# KiCad board Auckland-LED-Train-Map.kicad_pcb (continued)
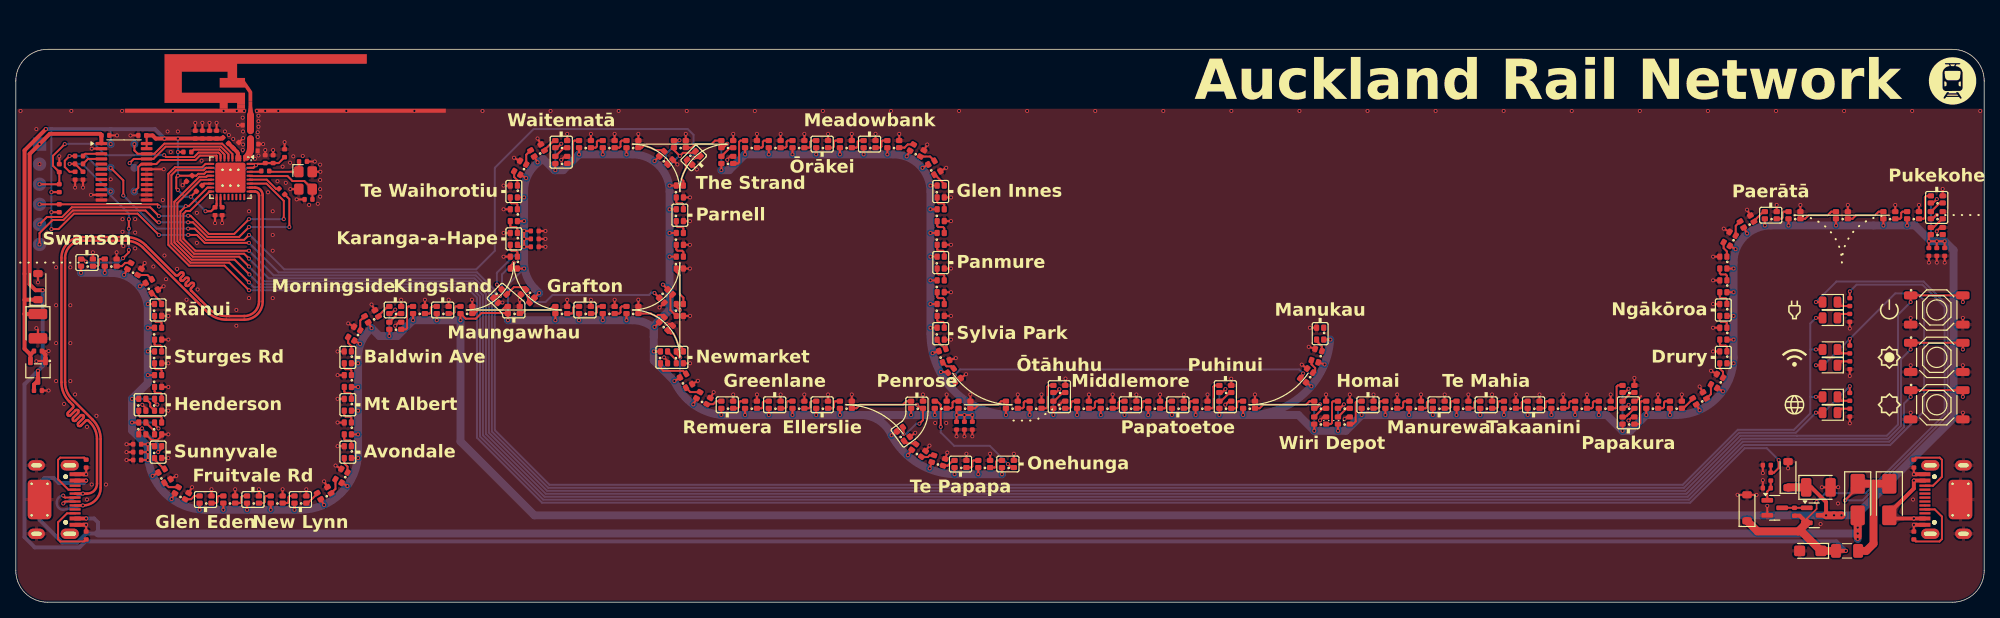
[diagram p0: board, top side]
## Routing (per net, layer and track width the routed paths; a pad name or vN(x,y) marks a point on that pad's centre or on a via; arc(x,y) is an arc through that point) (continued)
  Bottom w0.313: v1(6,12.5) v1(8.48,13.75)
/LED_+5V_EN_Active_High: length 249.2
  Top w0.25: U2.9 24,55.5 23.58,55.08 20.14,55.08 19.3,54.23 19.3,45.24 21.92,42.61 26.38,42.61 v1(29.5,39.5) ; v1(223,18) 223,17 222.4,16.4 R18.1 R17.1
  Bottom w0.25: v1(223,18) 221.5,19.5 218.71,19.5 211.81,12.6 66.56,12.6 58.33,20.83 58.33,38.57 57.4,39.5 v1(29.5,39.5)
/LVL_Shifter_EN_Active_Low: length 15
  Top w0.25: U2.4 27.4,56.75 26.09,58.06 18.8,58.06 17.52,56.78 U3.22 15.42,56.78 15,57.2 v1(15,58)
/MCU_RX: length 41.5
  Top w0.25: v1(29.5,48.5) 27.63,46.63 24.4,46.63 22.11,48.93 v1(21.8,48.93) ; v1(33.9,48.5) 33.9,50.82 31.72,53 U2.27 ; v1(3,47.84) 3.93,48.77 5.87,48.77 7.09,50 17,50 v1(18.1,48.9)
  Bottom w0.25: v1(21.8,48.93) 21.77,48.9 v1(18.1,48.9) ; v1(29.5,48.5) v1(33.9,48.5)
/MCU_TX: length 40.5
  Top w0.25: R7.1 34.6,51.05 v1(34.6,47.5) ; v1(18.1,48.1) 17.9,48.1 16.4,49.6 7.23,49.6 6.02,48.4 4.66,48.4 3,46.74 v1(3,45.3) ; v1(21.8,48.1) 22.4,48.1 24.25,46.25 28.25,46.25 v1(29.5,47.5)
  Bottom w0.25: v1(34.6,47.5) v1(29.5,47.5) ; v1(18.1,48.1) v1(21.8,48.1)
/NAL-NIMT_MCU: length 14.3
  Top w0.25: v1(15,52) 15.49,52.49 15.49,55.1 15.73,55.35 15.74,55.35 15.87,55.47 U3.20 ; U2.8 25.4,56.55 23.28,56.55 22.72,55.99 18.29,55.99 17.77,55.47 16.38,55.47
/Reset: length 29.7
  Top w0.25: v1(18.77,56.6) 19.01,56.36 22.56,56.36 23.13,56.93 25.63,56.93 25.9,56.65 U2.7 ; v1(3,52.92) R4.2 C14.1 4.7,55.26 4.7,56.52 6.18,58 v1(6.19,58)
  Bottom w0.25: v1(6.19,58) 6.22,58.03 9.92,58.03 11.35,56.6 v1(18.77,56.6)
/STRAND-MNK_MCU: length 15.1
  Top w0.25: U2.5 26.9,56.72 25.94,57.68 18.96,57.68 17.41,56.12 U3.21 14.92,56.12 v1(14.4,55.6)
  Bottom w0.25: TP8.1 v1(14.4,55.6)
/WIFI_LED: length 249.1
  Top w0.25: D9.2 v1(227.71,24) ; U2.16 24.5,52 22.03,49.53 21.55,49.53 21.19,49.18 21.19,46.01 22.7,44.5 v1(29.5,44.5) ; R8.1 v1(232,27.35)
  Bottom w0.25: v1(29.5,44.5) 32.61,41.39 58.18,41.39 60.22,39.35 60.22,21.62 67.35,14.48 211.02,14.48 217.99,21.45 225.16,21.45 227.7,23.99 227.7,24.01 v1(227.71,24) 228.65,24 v1(232,27.35)
NAL-NIMT-1: length 24.2
  Top w0.25: v1(8.9,43.1) 8.55,43.45 D100.4 ; v1(14.29,44.6) 14.29,44.29 v1(13.55,43.55) ; v1(6.8,55.5) R10.1 R24.1 ; v1(14.3,47.3) v1(14.3,48.5)
  Bottom w0.25: v1(13.55,43.55) 13,43 9,43 v1(8.9,43.1) ; v1(14.3,47.3) 14.29,47.29 v1(14.29,44.6) ; v1(6.8,55.5) 8.4,55.5 11.9,52 v1(12,52) 12,51.5 14.3,49.2 v1(14.3,48.5)
NAL-NIMT-2: length 2.2
  Top w0.25: D135.1 70.35,36.55 70.5,36.7 70.5,37.3 70.65,37.45 D136.4
NAL-NIMT-3: length 2.2
  Top w0.25: D166.4 142.65,25.45 142.5,25.3 142.5,24.7 142.35,24.55 D165.1
NAL-NIMT-4: length 2
  Top w0.25: D192.1 214.43,26.35 D193.4
Onehunga Branch End: length 15.5
  Top w0.25: v1(125.5,17.5) 125.95,17.05 D156.1 ; D157.4 116.55,25.45 117,25 v1(117,22.2)
  Bottom w0.25: v1(125.5,17.5) 123.2,19.8 118.7,19.8 117,21.5 v1(117,22.2)
Onehunga Branch Start: length 1.7
  Top w0.25: D151.1 112.64,20.13 113.76,20.13 D152.4
STRAND-MNK-1: length 108.1
  Top w0.25: v1(21.8,47.3) 22.63,47.3 24.06,45.88 28.88,45.88 v1(29.5,46.5) ; R15.1 v1(6.8,56.5) 6.19,55.89 6.19,55.11 6.8,54.5 R25.1 ; v1(13.6,51.5) 13.6,53.4 v1(12,55) ; D300.4 86.39,56.24 v1(85.73,56.24)
  Bottom w0.25: v1(13.6,51.5) 17.8,47.3 v1(21.8,47.3) ; v1(6.8,56.5) 8.9,56.5 10.4,55 v1(12,55) ; v1(85.73,56.24) 85.73,59.17 85,59.91 65.5,59.91 60.6,55.01 60.6,44.5 58.24,42.14 33.96,42.14 29.6,46.5 v1(29.5,46.5)
STRAND-MNK-2: length 1.7
  Top w0.25: D340.1 117.74,29.87 118.36,29.87 D341.4
Net-(AE1-A): length 3.9
  Top w0.2: 29.61,62.9 29.46,61.97 ; 29.76,62.91 29.91,61.98
  Top w0.889: L1.2 29.69,61.69
Net-(C7-Pad1): length 3.2
  Top w0.25: U2.2 28.25,56.05 28.05,56.05 U2.3
  Top w0.5: 28.15,56.05 28.15,56.15 28.1,56.2 28.1,56.77 arc(28.08,56.89) 28.01,56.99 L3.2
Net-(C20-Pad1): length 5.1
  Top w0.25: 35.83,54.5 C20.1 ; X1.1 32.29,54.5 arc(32.16,54.53) L5.1
Net-(D2-Pad1): length 1.8
  Top w0.25: R12.1 230.94,37.5 D2.1
Net-(D2-Pad2): length 67.9
  Top w0.25: v1(231.4,12.9) 233,14.5 D6.1 ; D2.2 v1(227.71,38)
  Top w1: D7.1 235,15 ; 235,15 D6.1 ; 235,15 235,7.4 234.1,6.5 F1.1
  Bottom w0.25: v1(231.4,12.9) 233.63,12.9 244.38,23.64 244.38,37.56 241.33,40.6 230.31,40.6 v1(227.71,38)
Net-(D6-Pad2): length 252.8
  Top w0.5: v1(8.9,10.6) U4.A9B4 ; v1(8.9,15.4) U4.B9A4
  Top w1: D6.2 233,8.3
  Bottom w0.5: v1(8.9,15.4) 8.59,15.08 5.45,15.08 4.8,15.73 3.63,15.73 3,15.1 3,10.43 5.86,7.57 7.78,7.57 8.91,8.7 10.4,8.7 10.4,10.1 9.9,10.6 v1(8.9,10.6) ; 11.8,8.7 12,8.7
  Bottom w1: v1(233,8.7) 10.4,8.7 ; v1(233,8.7) 233,9.1 ; v1(233,8.7) v1(233,8)
  vias: v1(233,9.45)
Net-(D7-Pad2): length 11.7
  Top w0.5: U5.A9B4 v1(240.1,15.4) 240.1,14.4 237,11.3 D7.2 237.4,10.6 v1(240.1,10.6) U5.B9A4
Net-(D8-Pad1): length 1.1
  Top w0.25: R9.1 230.94,36.5
Net-(D9-Pad1): length 1.8
  Top w0.25: R22.1 230.94,24.5 D9.1
Net-(D10-Pad1): length 1.8
  Top w0.25: R8.2 230.94,25.5 D10.1
Net-(D11-Pad1): length 1.8
  Top w0.25: R21.2 230.94,31.5 D11.1
Net-(D12-Pad1): length 1.8
  Top w0.25: R23.1 230.94,30.5 D12.1
Net-(D100-DOUT): length 2.2
  Top w0.25: D101.4 10.65,43.45 10.5,43.3 10.5,42.7 10.35,42.55 D100.1
Net-(D101-DOUT): length 2
  Top w0.25: D102.4 13.83,42.96 13.42,42.55 D101.1
Net-(D102-DOUT): length 2
  Top w0.25: D103.4 16.65,41.43 D102.1
Net-(D103-DOUT): length 2
  Top w0.25: D104.4 18.45,37.95 17.27,39.13 D103.1
Net-(D104-DOUT): length 2.2
  Top w0.25: D104.1 17.55,35.65 17.7,35.5 18.3,35.5 18.45,35.35 D105.4
Net-(D105-DOUT): length 2.2
  Top w0.25: D106.4 18.45,32.35 18.3,32.5 17.7,32.5 17.55,32.65 D105.1
Net-(D106-DOUT): length 2.2
  Top w0.25: D107.4 18.45,29.35 18.3,29.5 17.7,29.5 17.55,29.65 D106.1
Net-(D107-DOUT): length 2.2
  Top w0.25: D107.1 17.55,26.65 17.7,26.5 18.3,26.5 18.45,26.35 D108.4
Net-(D108-DOUT): length 2
  Top w0.25: D109.4 17,25.2 17,24.8 D108.1
Net-(D109-DOUT): length 4.2
  Top w0.25: D109.1 15.55,23.65 15.7,23.5 18.3,23.5 18.45,23.35 D110.4
Net-(D110-DOUT): length 2
  Top w0.25: D111.4 17.55,21.65 D110.1
Net-(D111-DOUT): length 5.7
  Top w0.25: D112.4 18.45,19.45 v1(18,19) ; D111.1 15.55,21.59 v1(15.97,22.01)
  Bottom w0.25: v1(18,19) 18,19.99 v1(15.97,22.01)
Net-(D112-DOUT): length 2
  Top w0.25: D113.4 18.73,16.87 17.55,18.05 D112.1
Net-(D113-DOUT): length 2
  Top w0.25: D114.4 19.35,14.57 D113.1
Net-(D114-DOUT): length 2
  Top w0.25: D115.4 22.58,13.45 22.17,13.04 D114.1
Net-(D115-DOUT): length 2.2
  Top w0.25: D116.4 25.65,13.45 25.5,13.3 25.5,12.7 25.35,12.55 D115.1
Net-(D116-DOUT): length 2.2
  Top w0.25: D116.1 28.35,12.55 28.5,12.7 28.5,13.3 28.65,13.45 D117.4
Net-(D117-DOUT): length 2.2
  Top w0.25: D117.1 31.35,12.55 31.5,12.7 31.5,13.3 31.65,13.45 D118.4
Net-(D118-DOUT): length 2.2
  Top w0.25: D118.1 34.35,12.55 34.5,12.7 34.5,13.3 34.65,13.45 D119.4
Net-(D119-DOUT): length 2
  Top w0.25: D120.4 38.13,13.73 36.95,12.55 D119.1
Net-(D120-DOUT): length 2
  Top w0.25: D121.4 40.43,14.35 D120.1
Net-(D121-DOUT): length 2.6
  Top w0.25: D121.1 41.96,17.17 41.55,17.58 D122.4 41.55,17.65
Net-(D122-DOUT): length 2.2
  Top w0.25: D122.1 42.45,20.35 42.3,20.5 41.7,20.5 41.55,20.65 D123.4
Net-(D123-DOUT): length 2.2
  Top w0.25: D124.4 41.55,23.65 41.7,23.5 42.3,23.5 42.45,23.35 D123.1
Net-(D124-DOUT): length 2.2
  Top w0.25: D125.4 41.55,26.65 41.7,26.5 42.3,26.5 42.45,26.35 D124.1
Net-(D125-DOUT): length 2.2
  Top w0.25: D126.4 41.55,29.65 41.7,29.5 42.3,29.5 42.45,29.35 D125.1
Net-(D126-DOUT): length 2
  Top w0.25: D126.1 42.45,32.42 42.04,32.83 D127.4
Net-(D127-DOUT): length 2
  Top w0.25: D127.1 43.57,35.65 D128.4
Net-(D128-DOUT): length 2
  Top w0.25: D128.1 45.87,36.27 47.05,37.45 D129.4
Net-(D129-DOUT): length 2
  Top w0.25: D130.4 48.35,36.55 D129.1
Net-(D130-DOUT): length 4.2
  Top w0.25: D130.1 49.35,34.55 49.5,34.7 49.5,37.3 49.65,37.45 D131.4
Net-(D131-DOUT): length 2.2
  Top w0.25: D131.1 52.35,36.55 52.5,36.7 52.5,37.3 52.65,37.45 D132.4
Net-(D132-DOUT): length 2.2
  Top w0.25: D132.1 55.35,36.55 55.5,36.7 55.5,37.3 55.65,37.45 D133.4
Net-(D133-DOUT): length 4.9
  Top w0.25: D133.1 58.05,36.55 58.5,37 61.5,37 61.95,37.45 D134.4
Net-(D134-DOUT): length 4.9
  Top w0.25: D134.1 64.05,36.55 64.5,37 67.5,37 67.95,37.45 D135.4
Net-(D136-DOUT): length 2.2
  Top w0.25: D137.4 73.65,37.45 73.5,37.3 73.5,36.7 73.35,36.55 D136.1
Net-(D137-DOUT): length 2.2
  Top w0.25: D138.4 76.65,37.45 76.5,37.3 76.5,36.7 76.35,36.55 D137.1
Net-(D138-DOUT): length 3.6
  Top w0.25: D139.4 81.75,36.37 81.23,36.37 81.03,36.18 arc(80.7,36.36) 80.36,36.52 80.33,36.55 D138.1
Net-(D139-DOUT): length 3.6
  Top w0.25: D140.4 84.45,32.01 83.75,32.71 arc(83.5,33.39) 83.17,34.04 82.81,34.04 D139.1
Net-(D140-DOUT): length 2
  Top w0.25: D141.4 83.55,30.65 D140.1
Net-(D141-DOUT): length 4.2
  Top w0.25: D141.1 81.55,29.65 81.9,29.3 84.41,29.3 D142.4
Net-(D142-DOUT): length 2
  Top w0.25: D142.1 85.32,26.6 D143.4
Net-(D143-DOUT): length 2
  Top w0.25: D143.1 88.22,25.07 88.6,25.45 D144.4
Net-(D144-DOUT): length 2.2
  Top w0.25: D145.4 91.65,25.45 91.5,25.3 91.5,24.7 91.35,24.55 D144.1
Net-(D145-DOUT): length 2.2
  Top w0.25: D145.1 94.35,24.55 94.5,24.7 94.5,25.3 94.65,25.45 D146.4
Net-(D146-DOUT): length 2.2
  Top w0.25: D147.4 97.65,25.45 97.5,25.3 97.5,24.7 97.35,24.55 D146.1
Net-(D147-DOUT): length 2.2
  Top w0.25: D148.4 100.65,25.45 100.5,25.3 100.5,24.7 100.35,24.55 D147.1
Net-(D148-DOUT): length 2.2
  Top w0.25: D149.4 103.65,25.45 103.5,25.3 103.5,24.7 103.35,24.55 D148.1
Net-(D149-DOUT): length 7.9
  Top w0.25: D149.1 106.35,24.55 106.8,25 112.2,25 112.65,25.45 D150.4
Net-(D150-DOUT): length 6.5
  Top w0.25: v1(114.3,22.6) 114.75,23.05 D150.1 114.45,24.55 v1(114,25) ; D151.4 112.3,22.07 v1(112.3,21.3)
  Bottom w0.25: v1(112.3,21.3) 112.6,21.3 113.9,22.6 v1(114.3,22.6)
Net-(D152-DOUT): length 1.7
  Top w0.25: D153.4 115.6,18.6 115.38,18.38 114.58,18.38 D152.1
Net-(D153-DOUT): length 1.7
  Top w0.25: D154.4 118.55,17.95 117.89,17.28 D153.1
Net-(D154-DOUT): length 2.2
  Top w0.25: D154.1 120.85,17.05 121,17.2 121,17.8 121.15,17.95 D155.4
Net-(D155-DOUT): length 2.2
  Top w0.25: D155.1 123.85,17.05 124,17.2 124,17.8 124.15,17.95 D156.4
Net-(D157-DOUT): length 2.2
  Top w0.25: D158.4 118.65,25.45 118.5,25.3 118.5,24.7 118.35,24.55 D157.1
Net-(D158-DOUT): length 4.9
  Top w0.25: D158.1 121.35,24.55 121.8,25 124.2,25 124.65,25.45 D159.4
Net-(D159-DOUT): length 2.2
  Top w0.25: D159.1 127.35,24.55 127.5,24.7 127.5,25.3 127.65,25.45 D160.4
Net-(D160-DOUT): length 4.2
  Top w0.25: D161.4 130.65,27.45 130.5,27.3 130.5,24.7 130.35,24.55 D160.1
Net-(D161-DOUT): length 2
  Top w0.25: D161.1 132.45,26.55 131.35,25.45 D162.4
Net-(D162-DOUT): length 2.2
  Top w0.25: D163.4 133.65,25.45 133.5,25.3 133.5,24.7 133.35,24.55 D162.1
Net-(D163-DOUT): length 2.2
  Top w0.25: D163.1 136.35,24.55 136.5,24.7 136.5,25.3 136.65,25.45 D164.4
Net-(D164-DOUT): length 2.2
  Top w0.25: D164.1 139.35,24.55 139.5,24.7 139.5,25.3 139.65,25.45 D165.4
Net-(D166-DOUT): length 2.2
  Top w0.25: D166.1 145.35,24.55 145.5,24.7 145.5,25.3 145.65,25.45 D167.4
Net-(D167-DOUT): length 2.2
  Top w0.25: D167.1 148.35,24.55 148.5,24.7 148.5,25.3 148.65,25.45 D168.4
Net-(D168-DOUT): length 4.2
  Top w0.25: D169.4 151.65,27.45 151.5,27.3 151.5,24.7 151.35,24.55 D168.1
Net-(D169-DOUT): length 2
  Top w0.25: D169.1 153.55,26.55 152.45,25.45 D170.4
Net-(D170-DOUT): length 2.2
  Top w0.25: D170.1 154.35,24.55 154.5,24.7 154.5,25.3 154.65,25.45 D171.4
Net-(D171-DOUT): length 7.9
  Top w0.25: D172.4 163.65,25.45 163.2,25 157.8,25 157.35,24.55 D171.1
Net-(D172-DOUT): length 2
  Top w0.25: D172.1 165.35,24.55 D173.4
Net-(D173-DOUT): length 4.2
  Top w0.25: D174.4 166.65,25.45 166.5,25.3 166.5,22.7 166.35,22.55 D173.1
Net-(D174-DOUT): length 2
  Top w0.25: D175.4 168.35,24.55 D174.1
Net-(D175-DOUT): length 4.1
  Top w0.25: D176.4 169.65,25.45 169.5,25.3 169.5,22.9 169.15,22.55 D175.1
Net-(D176-DOUT): length 2.2
  Top w0.25: D176.1 172.35,24.55 172.5,24.7 172.5,25.3 172.65,25.45 D177.4
Net-(D177-DOUT): length 2.2
  Top w0.25: D178.4 175.65,25.45 175.5,25.3 175.5,24.7 175.35,24.55 D177.1
Net-(D178-DOUT): length 2.2
  Top w0.25: D178.1 178.35,24.55 178.5,24.7 178.5,25.3 178.65,25.45 D179.4
Net-(D179-DOUT): length 2.2
  Top w0.25: D180.4 181.65,25.45 181.5,25.3 181.5,24.7 181.35,24.55 D179.1
Net-(D180-DOUT): length 2.2
  Top w0.25: D181.4 184.65,25.45 184.5,25.3 184.5,24.7 184.35,24.55 D180.1
Net-(D181-DOUT): length 2.2
  Top w0.25: D181.1 187.35,24.55 187.5,24.7 187.5,25.3 187.65,25.45 D182.4
Net-(D182-DOUT): length 2.2
  Top w0.25: D183.4 190.65,25.45 190.5,25.3 190.5,24.7 190.35,24.55 D182.1
Net-(D183-DOUT): length 2.2
  Top w0.25: D183.1 193.35,24.55 193.5,24.7 193.5,25.3 193.65,25.45 D184.4
Net-(D184-DOUT): length 2.2
  Top w0.25: D185.4 196.65,25.45 196.5,25.3 196.5,24.7 196.35,24.55 D184.1
Net-(D185-DOUT): length 2.2
  Top w0.25: D185.1 199.35,24.55 199.5,24.7 199.5,25.3 199.65,25.45 D186.4
Net-(D186-DOUT): length 4.2
  Top w0.25: D186.1 202.35,24.55 202.5,24.7 202.5,27.3 202.65,27.45 D187.4
Net-(D187-DOUT): length 2
  Top w0.25: D187.1 204.4,26.55 204.27,26.42 204.22,26.42 203.98,26.18 203.98,26.18 203.25,25.45 D188.4
Net-(D188-DOUT): length 2
  Top w0.25: D189.4 203.59,23.45 203.75,23.61 203.81,23.61 204.02,23.82 204.02,23.82 204.75,24.55 D188.1
Net-(D189-DOUT): length 4.2
  Top w0.25: D189.1 205.35,22.55 205.5,22.7 205.5,25.3 205.65,25.45 D190.4
Net-(D190-DOUT): length 2.2
  Top w0.25: D191.4 208.65,25.45 208.5,25.3 208.5,24.7 208.35,24.55 D190.1
Net-(D191-DOUT): length 2
  Top w0.25: D192.4 212.13,25.73 210.95,24.55 D191.1
Net-(D193-DOUT): length 2
  Top w0.25: D193.1 215.96,29.17 215.55,29.58 D194.4
Net-(D194-DOUT): length 2.2
  Top w0.25: D195.4 215.55,32.65 215.7,32.5 216.3,32.5 216.45,32.35 D194.1
Net-(D195-DOUT): length 2.2
  Top w0.25: D196.4 215.55,35.65 215.7,35.5 216.3,35.5 216.45,35.35 D195.1
Net-(D196-DOUT): length 2.2
  Top w0.25: D196.1 216.45,38.35 216.3,38.5 215.7,38.5 215.55,38.65 D197.4
Net-(D197-DOUT): length 2.2
  Top w0.25: D197.1 216.45,41.35 216.3,41.5 215.7,41.5 215.55,41.65 D198.4
Net-(D198-DOUT): length 2
  Top w0.25: D198.1 216.45,44.42 216.04,44.83 D199.4
Net-(D199-DOUT): length 2
  Top w0.25: D200.4 217.57,47.65 D199.1
Net-(D200-DOUT): length 2
  Top w0.25: D201.4 221.05,49.45 219.87,48.27 D200.1
Net-(D201-DOUT): length 2.2
  Top w0.25: D202.4 223.65,49.45 223.5,49.3 223.5,48.7 223.35,48.55 D201.1
Net-(D202-DOUT): length 4.9
  Top w0.25: D202.1 226.35,48.55 226.8,49 229.2,49 229.5,49.3 229.5,49.3 229.65,49.45 D203.4
Net-(D203-DOUT): length 4.9
  Top w0.25: D204.4 235.65,49.45 235.2,49 232.8,49 232.35,48.55 D203.1
Net-(D204-DOUT): length 2.2
  Top w0.25: D204.1 238.35,48.55 238.5,48.7 238.5,49.3 238.65,49.45 D205.4
Net-(D205-DOUT): length 4.2
  Top w0.25: D205.1 241.35,48.55 241.5,48.7 241.5,48.7 241.5,51.28 241.65,51.43 242.25,51.43
Net-(D206-DOUT): length 2
  Top w0.25: D206.1 243.38,50.55 242.28,49.45 D207.4
Net-(D207-DOUT): length 2
  Top w0.25: D208.4 242.59,47.45 243.69,48.55 D207.1
Net-(D300-DOUT): length 3.6
  Top w0.25: D300.1 84.75,55.88 84.75,54.91 arc(84.44,54.27) 84.21,53.59 84.45,53.35 D301.4
Net-(D301-DOUT): length 2.2
  Top w0.25: D302.4 84.45,50.35 84.3,50.5 83.7,50.5 83.55,50.65 D301.1
Net-(D302-DOUT): length 2.2
  Top w0.25: D302.1 83.55,47.65 83.7,47.5 84.3,47.5 84.45,47.35 D303.4
Net-(D303-DOUT): length 2.2
  Top w0.25: D303.1 83.55,44.65 83.7,44.5 84.3,44.5 84.45,44.35 D304.4
Net-(D304-DOUT): length 4.9
  Top w0.25: D304.1 83.55,41.85 84,41.4 84,39 84.45,38.55 D305.4
Net-(D305-DOUT): length 3.1
  Top w0.25: D306.4 82.81,38.69 82.81,36.99 D305.1
Net-(D306-DOUT): length 18.7
  Top w0.25: D306.1 v1(80.79,39.15) ; D307.4 64.79,38.09 v1(64.79,38.79)
  Bottom w0.25: v1(80.79,39.15) 80.74,39.2 80.4,39.2 80.11,38.91 67.91,38.91 67,38 65.58,38 v1(64.79,38.79)
Net-(D307-DOUT): length 3
  Top w0.25: D307.1 64.26,39.89 63.01,39.89 D308.4
Net-(D308-DOUT): length 6.9
  Top w0.25: v1(61.26,38.78) 61.25,38.78 60.63,38.78 D308.1 ; D309.4 62.55,42.55 v1(63,43)
  Bottom w0.25: v1(63,43) 61.5,41.5 61.5,39.05 61.26,38.81 v1(61.26,38.78)
Net-(D309-DOUT): length 2.2
  Top w0.25: D310.4 62.55,44.65 62.7,44.5 63.3,44.5 63.45,44.35 D309.1
Net-(D310-DOUT): length 2.2
  Top w0.25: D310.1 63.45,47.35 63.3,47.5 62.7,47.5 62.55,47.65 D311.4
Net-(D311-DOUT): length 2.2
  Top w0.25: D311.1 63.45,50.35 63.3,50.5 62.7,50.5 62.55,50.65 D312.4
Net-(D312-DOUT): length 2
  Top w0.25: D312.1 63.45,53.42 63.04,53.83 D313.4
Net-(D313-DOUT): length 2
  Top w0.25: D313.1 64.57,56.65 D314.4
Net-(D314-DOUT): length 2
  Top w0.25: D315.4 68.05,58.45 66.87,57.27 D314.1
Net-(D315-DOUT): length 2
  Top w0.25: D316.4 69.35,57.55 D315.1
Net-(D316-DOUT): length 4.2
  Top w0.25: D316.1 70.35,55.55 70.5,55.7 70.5,58.3 70.65,58.45 D317.4
Net-(D317-DOUT): length 2.2
  Top w0.25: D318.4 73.65,58.45 73.5,58.3 73.5,57.7 73.35,57.55 D317.1
Net-(D318-DOUT): length 2.2
  Top w0.25: D318.1 76.35,57.55 76.5,57.7 76.5,58.3 76.65,58.45 D319.4
Net-(D319-DOUT): length 3.6
  Top w0.25: D319.1 79.2,57.55 79.47,57.82 arc(80.2,57.58) 80.9,57.25 81.87,57.25 D320.4
Net-(D320-DOUT): length 4.7
  Top w0.25: v1(82.25,56.02) 82.25,55.6 D320.1 ; v1(83.95,58.49) 83.29,58.49 D321.4
  Bottom w0.25: v1(83.95,58.49) 83.99,58.49 82.25,56.75 v1(82.25,56.02)
Net-(D321-DOUT): length 4.9
  Top w0.25: D321.1 85.51,57.55 85.96,58 88,58 88.45,58.45 D322.4
Net-(D322-DOUT): length 2
  Top w0.25: D323.4 90.35,57.55 D322.1
Net-(D323-DOUT): length 4.2
  Top w0.25: D323.1 91.15,55.55 91.15,55.55 91.36,55.55 91.5,55.69 91.5,58.3 91.65,58.45 D324.4
Net-(D324-DOUT): length 2.2
  Top w0.25: D325.4 94.65,58.45 94.5,58.3 94.5,57.7 94.35,57.55 D324.1
Net-(D325-DOUT): length 2.2
  Top w0.25: D326.4 97.65,58.45 97.5,58.3 97.5,57.7 97.35,57.55 D325.1
Net-(D326-DOUT): length 2.2
  Top w0.25: D327.4 100.65,58.45 100.5,58.3 100.5,57.7 100.35,57.55 D326.1
Net-(D327-DOUT): length 2.2
  Top w0.25: D328.4 103.65,58.45 103.5,58.3 103.5,57.7 103.35,57.55 D327.1
Net-(D328-DOUT): length 2.2
  Top w0.25: D328.1 106.35,57.55 106.5,57.7 106.5,58.3 106.65,58.45 D329.4
Net-(D329-DOUT): length 2.2
  Top w0.25: D330.4 109.65,58.45 109.5,58.3 109.5,57.7 109.35,57.55 D329.1
Net-(D330-DOUT): length 2
  Top w0.25: D330.1 112.42,57.55 112.83,57.96 D331.4
Net-(D331-DOUT): length 2
  Top w0.25: D332.4 115.65,56.43 D331.1
Net-(D332-DOUT): length 2
  Top w0.25: D332.1 116.27,54.13 117.45,52.95 D333.4
Net-(D333-DOUT): length 2.2
  Top w0.25: D333.1 116.55,50.65 116.7,50.5 117.3,50.5 117.45,50.35 D334.4
Net-(D334-DOUT): length 2.2
  Top w0.25: D335.4 117.45,47.35 117.3,47.5 116.7,47.5 116.55,47.65 D334.1
Net-(D335-DOUT): length 2.2
  Top w0.25: D336.4 117.45,44.35 117.3,44.5 116.7,44.5 116.55,44.65 D335.1
Net-(D336-DOUT): length 2.2
  Top w0.25: D337.4 117.45,41.35 117.3,41.5 116.7,41.5 116.55,41.65 D336.1
Net-(D337-DOUT): length 2.2
  Top w0.25: D338.4 117.45,38.35 117.3,38.5 116.7,38.5 116.55,38.65 D337.1
Net-(D338-DOUT): length 2.2
  Top w0.25: D339.4 117.45,35.35 117.3,35.5 116.7,35.5 116.55,35.65 D338.1
Net-(D339-DOUT): length 1.7
  Top w0.25: D340.4 117.18,32.52 117.08,32.52 116.55,33.05 D339.1
Net-(D341-DOUT): length 46.3
  Top w0.25: D342.4 162.81,28.7 162.81,28.92 v1(162.85,28.96) ; D341.1 118.69,27.94 118.69,28.67 v1(118.76,28.74)
  Bottom w0.25: v1(162.85,28.96) 162.34,29.47 119.46,29.47 118.76,28.77 v1(118.76,28.74)
Net-(D342-DOUT): length 1.9
  Top w0.25: D343.4 163.9,30.12 164.37,29.65 164.37,29.34 D342.1
Net-(D343-DOUT): length 1.7
  Top w0.25: D343.1 165.22,32.39 164.55,33.05 D344.4
Net-(Q1-G): length 3.7
  Top w0.25: 224,11.95 Q2.3 Q1.1
Net-(Q2-B): length 2.8
  Top w0.25: 221.61,12.95 Q2.1 221.56,14.01 C35.1 R18.2
Net-(U2-GPIO2): length 5.1
  Top w0.25: U2.6 26.4,56.68 26.23,56.85 26.23,56.86 25.78,57.3 25.78,57.3 22.5,57.3 R3.2
Net-(U2-GPIO8): length 1.2
  Top w0.25: U2.14 23.8,53 R2.2
Net-(U2-U0TXD): length 4.2
  Top w0.25: U2.28 31.75,53.5 32.9,52.35 R7.2
Net-(U2-XTAL_N): length 9.9
  Top w0.25: U2.29 29.65,53.95 34.38,53.95 35,53.33 36.5,53.33 37.53,52.3 C19.2
Net-(U2-XTAL_P): length 1.5
  Top w0.25: U2.30 30.81,54.5 arc(30.94,54.53) L5.2
Net-(U3-A1): length 2.8
  Top w0.25: R15.2 8.77,56.78 11.14,56.78
Net-(U3-A2): length 2.9
  Top w0.25: R10.2 9.12,56.12 11.14,56.12
Net-(U4-CC1): length 8.9
  Top w0.25: U4.A5 6.65,14.25 5.34,15.56 5.34,18.02 5.63,18.31 8.64,18.31 R13.1
Net-(U4-CC2): length 8.5
  Top w0.25: U4.B5 6.48,11.25 5.34,10.12 5.34,7.98 5.63,7.69 8.64,7.69 R14.1
Net-(U5-CC1): length 9.2
  Top w0.25: U5.A5 242.75,11.75 243.66,10.84 243.66,8 243.35,7.69 240.36,7.69 R20.1
Net-(U5-CC2): length 8.5
  Top w0.25: U5.B5 242.52,14.75 243.66,15.88 243.66,18.02 243.37,18.31 240.36,18.31 R19.1
unconnected-(U5-D--PadB7): length 0

## Copper pours and planes (outline as drawn; the poured copper is in the pictures)
GND on Top, Bottom: 249,70 0,70 0,0 249,0

Small or netless copper shapes (teardrops, artwork), in the pictures only: 1086 on Top, 120 on Bottom

## Text on the board
B.Silkscreen: Kea Studios | Designed in Aotearoa, Made in Shenzhen | keastudios.co.nz/akl-ltm/quick-start | V1.1.1 07/2025 | 802.11b/g/n | Power Only | Power/Data
F.Silkscreen: Auckland Rail Network | Morningside | Rānui | Sturges Rd | Henderson | Sunnyvale | Baldwin Ave | Mt Albert | Avondale | The Strand | Parnell | Newmarket | Glen Innes | Panmure | Sylvia Park | Onehunga | Glen Eden | New Lynn | Maungawhau | Remuera | Ōrākei | Ellerslie | Te Papapa | Papatoetoe | Wiri Depot | Manurewa | Takaanini | Papakura | Swanson | Fruitvale Rd | Kingsland | Waitematā | Grafton | Greenlane | Meadowbank | Penrose | Ōtāhuhu | Middlemore | Puhinui | Manukau | Homai | Te Mahia | Paerātā | Pukekohe | Te Waihorotiu | Karanga-a-Hape | Ngākōroa | Drury
